# Altium PCB minnnnnnnn.PcbDoc
Units mm, origin at the board's own origin, x right, y up, seen from the top; angles counter-clockwise.
Board outline 131.62 x 119.43 mm, 2 copper layers (Top Layer, Bottom Layer); 60 components, 49 nets, 310 pads, 27 vias.
Unrouted connection lines stored in the file: 8.
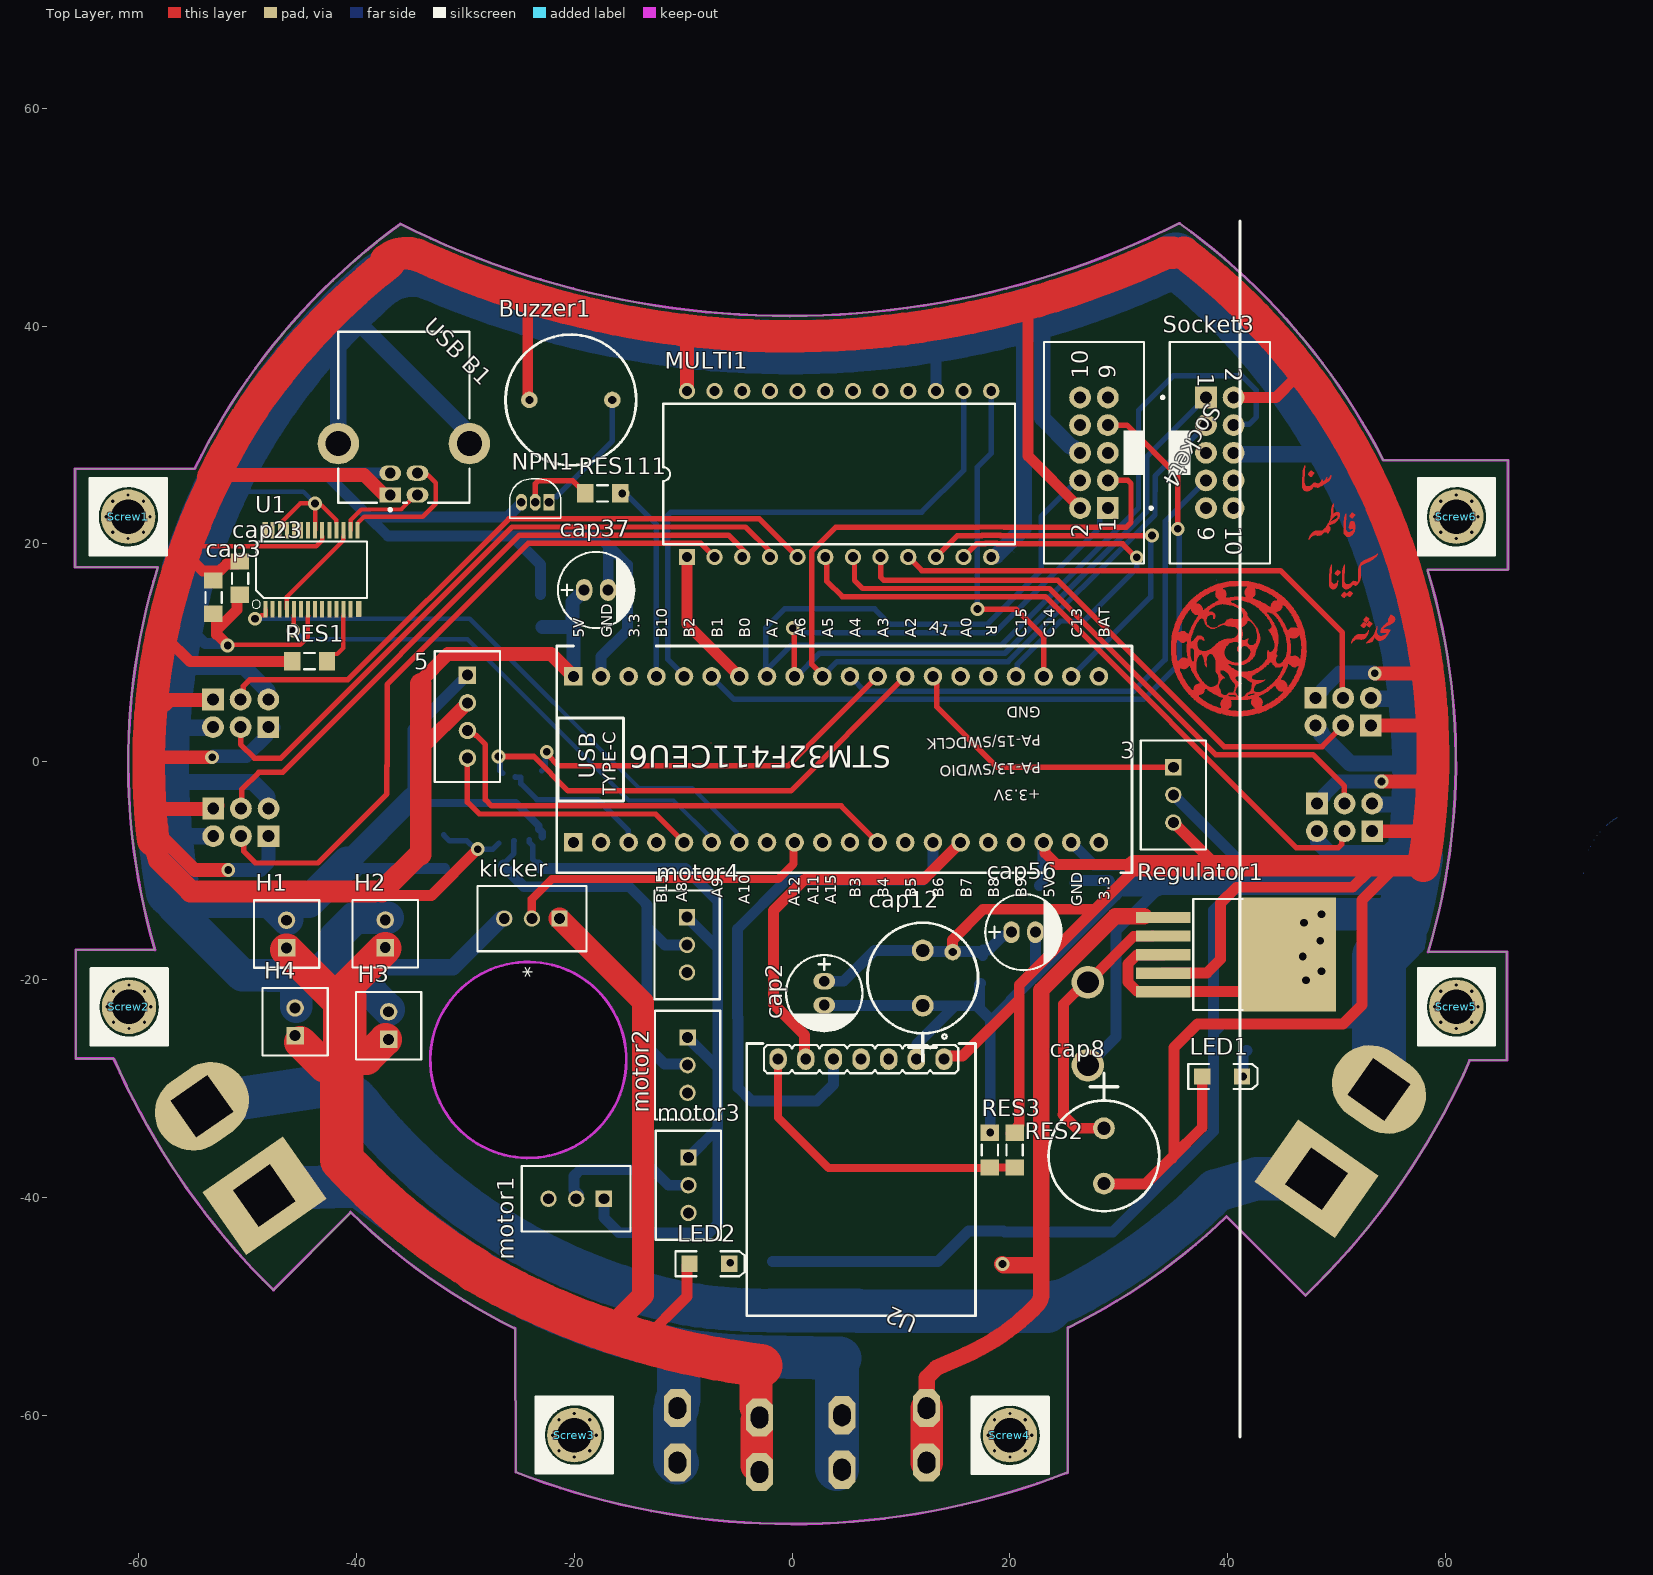
[diagram p0: Top Layer view]
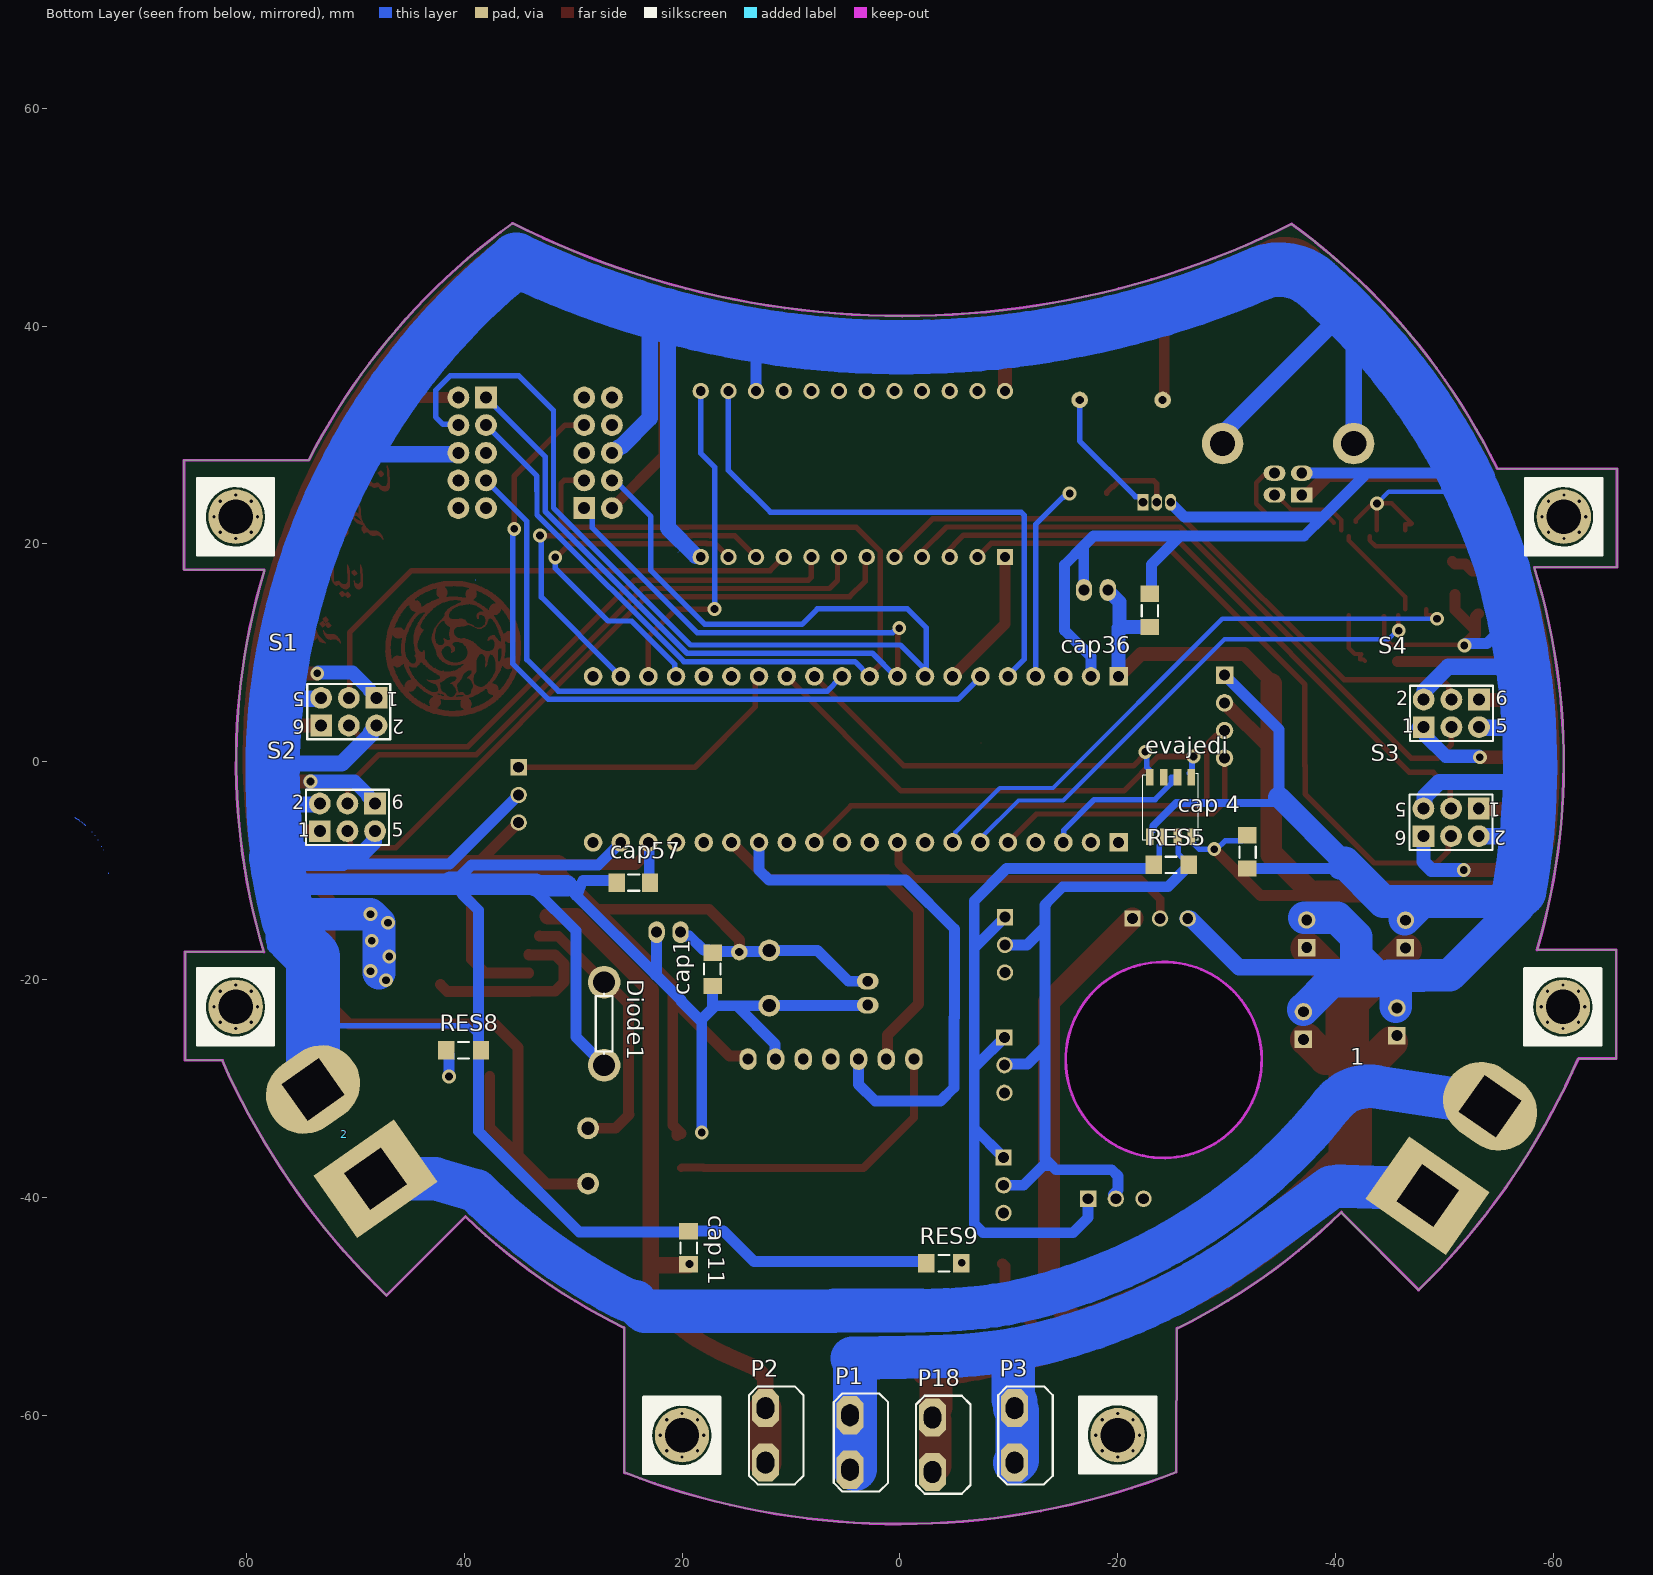
[diagram p1: Bottom Layer view, seen from below]
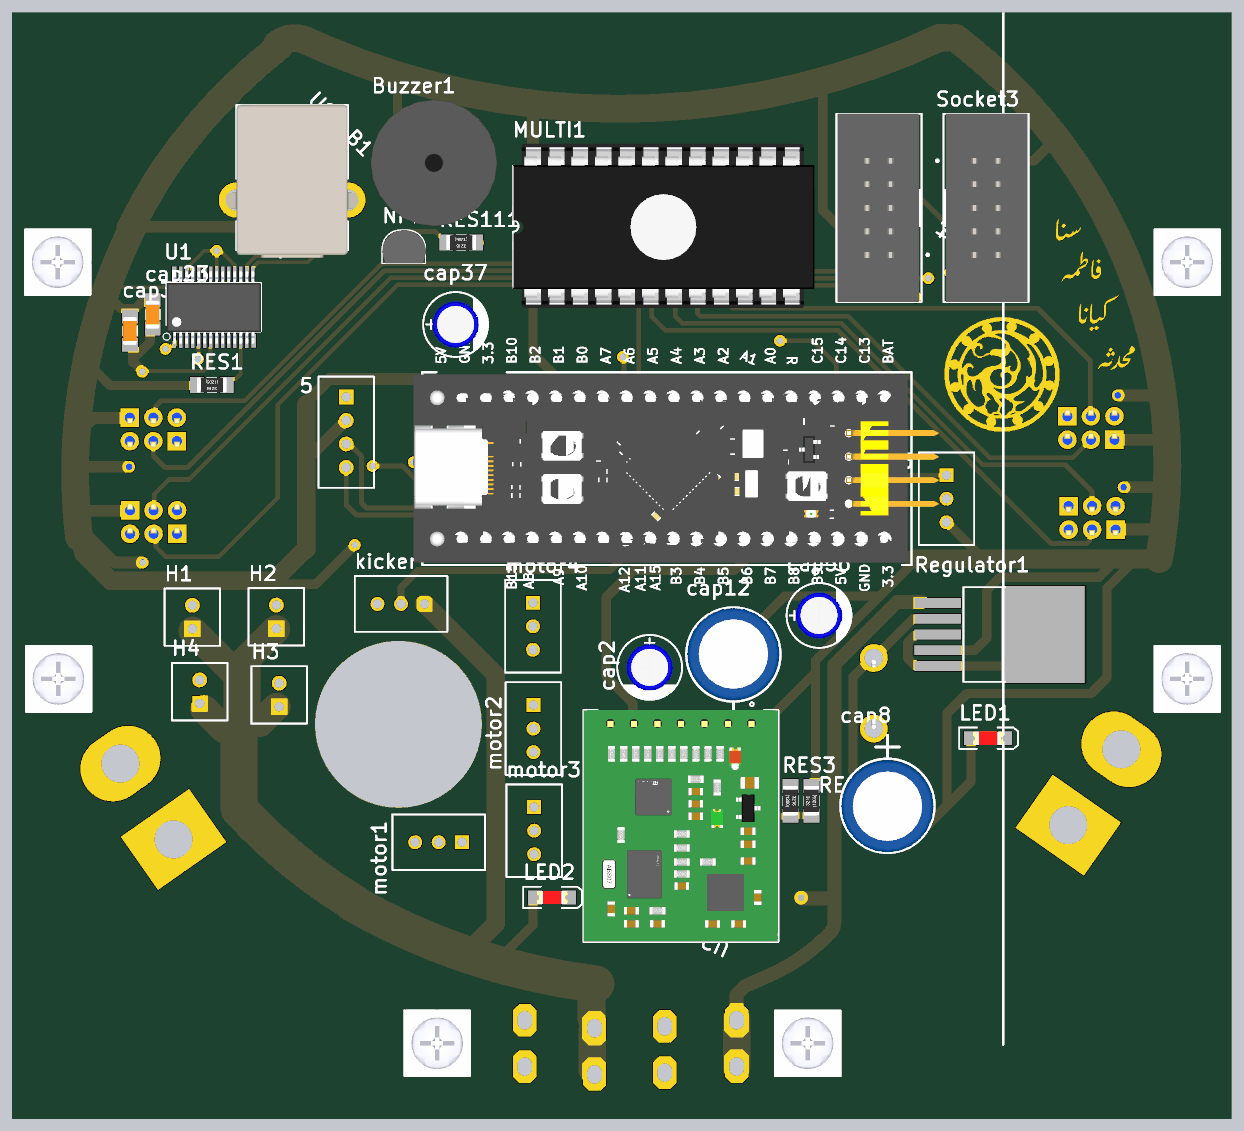
[diagram p2: 3D render of the assembled board from above, using the file's embedded part models]
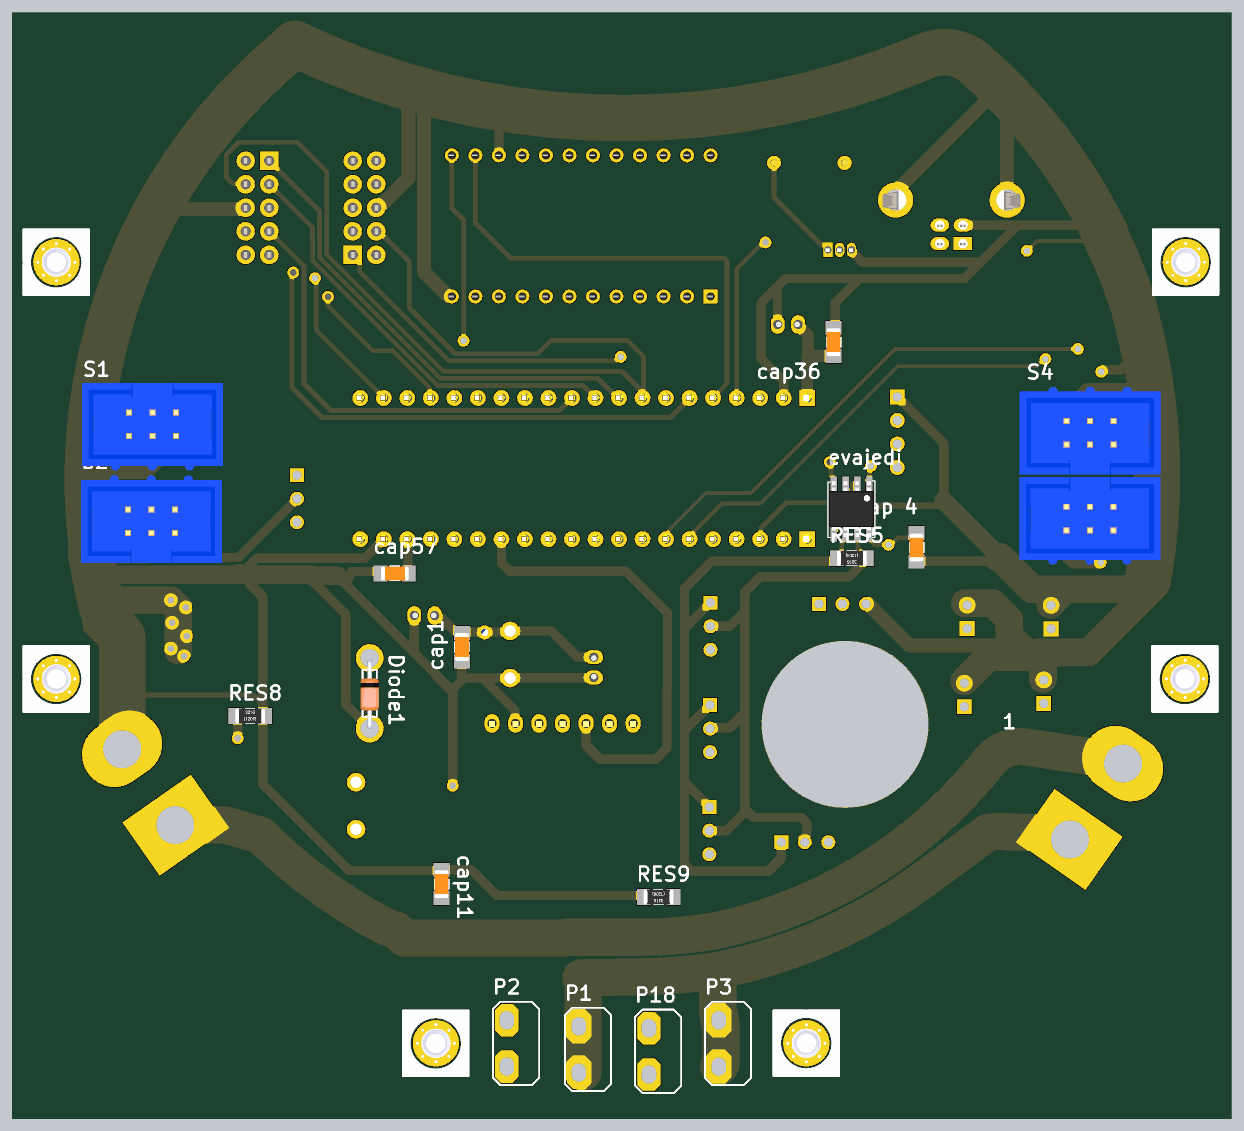
[diagram p3: 3D render of the assembled board from below, using the file's embedded part models]

## Layer stack, top to bottom
Top Solder: solder mask 0.0102, Solder Resist, Dk 3.5
Top Layer: signal copper 0.0356
Dielectric 1: dielectric 0.32, FR-4, Dk 4.8
Bottom Layer: signal copper 0.0356
Bottom Solder: solder mask 0.0102, Solder Resist, Dk 3.5

## Board outline
-47.637,-48.526 cw(c0,0) -62.277,-27.306 -62.332,-27.254 -65.761,-27.254 -65.786,-27.263 -65.786,-17.272 -58.522,-17.272 -58.519,-17.287 cw(c0.025,-0.152) -58.264,17.83 -58.293,17.856 -65.862,17.856 -65.862,26.848 -65.888,26.899 -54.966,26.899 -54.843,26.939 cw(c-0.076,0.076) -36.007,49.371 -35.997,49.392 ccw(c-0.272,120.673) 35.533,49.431 35.593,49.419 cw(c-0.025,-0.102) 54.276,27.689 54.331,27.686 65.735,27.686 65.735,17.653 65.684,17.628 58.369,17.628 58.372,17.517 cw(c-0.051,-0.025) 58.409,-17.446 58.394,-17.468 65.658,-17.451 65.634,-17.45 65.634,-27.407 62.205,-27.407 62.23,-27.413 cw(c0,0) 47.216,-48.935 47.142,-49.022 39.891,-41.77 39.892,-41.771 cw(c-0.186,-0.053) 25.347,-51.963 25.298,-51.973 25.298,-65.278 25.203,-65.306 cw(c0,0) -25.37,-65.241 -25.375,-65.227 -25.425,-52.049 -25.519,-52.011 cw(c0.025,0) -40.566,-41.352 -40.589,-41.453

## Design rules (kind name [scope] priority, off if disabled: settings)
Clearance [All] p1: gap=0.254 ignorepadtopadclearanceinfootprint=FALSE except(0: Arc-Hole Track-Hole SMDPad-Hole THPad-Hole Via-Hole Fill-Hole Poly-Hole Region-Hole Text-Hole)
Height [All] p1: minheight=0 maxheight=50 prefheight=12.7
HoleSize [All] p1: absolutevalues=TRUE maxlimit=50 minlimit=0.025 maxpercent=80.000 minpercent=20.000
PolygonConnect [All] p1: connectstyle=Relief reliefconductorwidth=0.254 reliefentries=4 polygonreliefangle="90 Angle" airgapwidth=0.254
RoutingVias [All] p1: holewidth=0.711 width=1.27 viastyle="Through Hole" minholewidth=0.711 minwidth=1.27 maxholewidth=2 maxwidth=2
SolderMaskExpansion [All] p1: expansion=0.102 istentingtop=FALSE
SupplyNets "Schematic Supply Nets_2" [InNet('+5')] p1: voltage=0.000
SupplyNets "Schematic Supply Nets_1" [InNet('+12')] p2: voltage=0.000
SupplyNets "Schematic Supply Nets" [InNet('GND')] p3: voltage=0.000
Width Width_Power [InNetClass('Power')] p1: maxlimit=5 minlimit=0.5 preferedwidth=3 minimp=50.000000 maximp=50.000000 favimp=50.000000
Width [All] p2: maxlimit=5 minlimit=0.4 preferedwidth=1 minimp=50.000000 maximp=50.000000 favimp=50.000000
28 further rules are at their usual default settings.

## Components (designator, comment, footprint, x,y, rotation, side; value= is the part's Value field where it differs from the comment)
1 "Power Connector" "Power Socket" -51.333,-35.738 r125 bottom
2 "Power Connector" "Power Socket" 51.017,-34.194 r55 bottom
3 "Header 3" HDR1x3 35.001,-3.048 r270 top
5 "Header 4" HDR1X4 -29.82,4.14 r270 top
* "BlackPill" BlackPill 5.944,0.406 r90 top
Buzzer1 "Buzzer" Buzzer -20.345,33.223 r0 top
cap1 "smd" "Cap SMD" 17.196,-19.075 r90 bottom
cap2 "100uf" "Cap 100uF" 3.023,-21.125 r180 top
cap3 "smd" "Cap SMD" -53.162,15.113 r270 top
cap8 "1000uf" "Cap 1000uf" 28.626,-36.246 r90 top
cap11 "smd" "Cap SMD" 19.406,-44.628 r270 bottom
cap12 "1000uf" "Cap 1000uf" 11.989,-19.812 r270 top
cap23 "smd" "Cap SMD" -50.724,16.866 r270 top
cap36 "smd" "Cap SMD" -22.936,13.894 r270 bottom
cap37 "100uf" "Cap 100uF" -18.136,15.85 r270 top
cap56 "100uf" "Cap 100uF" 21.107,-15.57 r270 top
cap57 "smd" "Cap SMD" 24.46,-11.125 r180 bottom
"cap 4" "smd" "Cap SMD" -31.902,-8.28 r270 bottom
Diode1 "Diode" Diode 27.127,-24.003 r270 bottom
evajedi "SN65LB" SOIC8 -25.039,-4.046 r270 bottom
H1 "Header 2" HDR1X2 -46.431,-15.824 r90 top
H2 "Header 2" HDR1X2 -37.363,-15.799 r90 top
H3 "Header 2" HDR1X2 -37.059,-24.232 r90 top
H4 "Header 2" HDR1X2 -45.644,-23.876 r90 top
kicker "Header 3" HDR1x3 -23.901,-14.402 r180 top
LED1 "SMD" "LED SMD" 39.776,-28.931 r0 top
LED2 "SMD" "LED SMD" -7.298,-46.126 r0 top
motor1 "Header 3" HDR1x3 -19.837,-40.132 r180 top
motor2 "Header 3" HDR1x3 -9.601,-27.864 r270 top
motor3 "Header 3" HDR1x3 -9.525,-38.887 r270 top
motor4 "Header 3" HDR1x3 -9.652,-16.815 r270 top
MULTI1 "4067 DIP" "4067 DIP" 4.115,26.67 r90 top
NPN1 "N2222A" TO18 -23.597,23.825 r0 top
P1 "P SK" "P SK" 3.81,-62.535 r270 bottom
P2 "P SK" "P SK" 11.579,-61.883 r270 bottom
P3 "P SK" "P SK" -11.306,-61.883 r270 bottom
P18 "P SK" "P SK" -3.759,-62.738 r270 bottom
Regulator1 "LM2576" D2PAK 41.834,-17.678 r0 top
RES1 "SMD" "Resistor SMD 1206" -44.323,9.246 r180 top
RES2 "SMD" "Resistor SMD 1206" 20.422,-35.662 r90 top
RES3 "SMD" "Resistor SMD 1206" 18.161,-35.662 r270 top
RES5 "SMD" "Resistor SMD 1206" -24.918,-9.474 r0 bottom
RES8 "SMD" "Resistor SMD 1206" 40.056,-26.492 r180 bottom
RES9 "SMD" "Resistor SMD 1206" -4.039,-46.05 r0 bottom
RES111 "SMD" "Resistor SMD 1206" -17.399,24.638 r180 top
S1 "IDC 2X3" "IDC 2X3" 50.597,4.597 r0 bottom
S2 "IDC 2X3" "IDC 2X3" 50.724,-5.105 r180 bottom
S3 "IDC 2X3" "IDC 2X3" -50.622,-5.563 r0 bottom
S4 "IDC 2X3" "IDC 2X3" -50.648,4.445 r180 bottom
Screw1 "Screw" Screw -60.981,22.5 r0 top locked
Screw2 "Screw" Screw -60.9,-22.5 r0 top
Screw3 "Screw" Screw -20,-61.846 r90 top locked
Screw4 "Screw" Screw 20,-61.846 r0 top locked
Screw5 "Screw" Screw 60.982,-22.5 r0 top locked
Screw6 "Screw" Screw 60.982,22.5 r0 top locked
Socket3 "IDC2x5" "IDC 2x5" 39.395,28.321 r0 top
Socket4 "IDC2x5" "IDC 2x5" 27.584,28.423 r180 top
U1 "INTERFACE-FT232RL(SSOP28)" SSOP28-0.65-10.2X5.2MM -44.131,17.635 r0 top
U2 "TDAxis12" TDAxis12 6.325,-27.38 r180 top
"USB B1" "USB_B" USB_B.1 -35.662,26.855 r90 top

## Footprints (in the part's own frame and the unit in brackets; to place one, negate y for a bottom-side part, rotate by r counter-clockwise, add the part's x,y. Pads: shape width x height; smd on the part's side, far side on the other; paste and mask are expansions set on the pad)
"4067 DIP" [mm]
  rect 1.5x1.5 hole 0.9: 1(-7.874,13.776)
  round 1.5 hole 0.9: 2(-7.874,11.236) 3(-7.874,8.696) 4(-7.874,6.156) 5(-7.874,3.616) 6(-7.874,1.076) 7(-7.874,-1.464) 8(-7.874,-4.004) 9(-7.874,-6.544) 10(-7.874,-9.084) 11(-7.874,-11.624) 12(-7.874,-14.164) 13(7.366,-14.164) 14(7.366,-11.624) 15(7.366,-9.084) 16(7.366,-6.544) 17(7.366,-4.004) 18(7.366,-1.464) 19(7.366,1.076) 20(7.366,3.616) 21(7.366,6.156) 22(7.366,8.696) 23(7.366,11.236) 24(7.366,13.776)
  silkscreen extent -6.7,-16.34 6.2,15.96, body extent -9.14,-16.64 8.64,16, height 9.79
BlackPill [mm]
  rect 1.7x1.7 hole 1 paste-2539.97 mask+0.102: 1(-7.812,26.036) 40(7.428,26.036)
  round 1.7 hole 1 paste-2539.97 mask+0.102: 2(-7.812,23.496) 3(-7.812,20.956) 4(-7.812,18.416) 5(-7.812,15.876) 6(-7.812,13.336) 7(-7.812,10.796) 8(-7.812,8.256) 9(-7.812,5.716) 10(-7.812,3.176) 11(-7.812,0.636) 12(-7.812,-1.904) 13(-7.812,-4.444) 14(-7.812,-6.984) 15(-7.812,-9.524) 16(-7.812,-12.064) 17(-7.812,-14.604) 18(-7.812,-17.144) 19(-7.812,-19.684) 20(-7.812,-22.224) 21(7.428,-22.224) 22(7.428,-19.684) 23(7.428,-17.144) 24(7.428,-14.604) 25(7.428,-12.064) 26(7.428,-9.524) 27(7.428,-6.984) 28(7.428,-4.444) 29(7.428,-1.904) 30(7.428,0.636) 31(7.428,3.176) 32(7.428,5.716) 33(7.428,8.256) 34(7.428,10.796) 35(7.428,13.336) 36(7.428,15.876) 37(7.428,18.416) 38(7.428,20.956) 39(7.428,23.496)
  silkscreen extent -10.61,-25.27 10.22,27.56, body extent -10.34,-28.17 9.98,28.47, height 13.16
Buzzer [mil]
  round 60 hole 30: 1(-149,0) 2(151,0)
  silkscreen extent -235,-236 237,236, body extent -269,-269 270,270, height 299
"Cap 100uF" [mm]
  oval 2x1.5 hole 1: 1(0.076,-0.973) 2(0.076,1.227)
  silkscreen extent -3.42,-3.37 3.58,3.63, body extent -2.45,-2.4 2.6,2.65, height 11.53
"Cap 1000uf" [mm]
  round 2 hole 1.2: 1(2.591,0) 2(-2.489,0)
  silkscreen extent -5.03,-5.08 7.67,5.08, body extent -4.99,-5 4.99,5, height 13.5
"Cap SMD" [mm]
  rect 1.5x1.7 smd: 1(-1.525,0) 2(1.525,0)
  silkscreen extent -0.47,-0.72 0.53,0.78, body extent -1.49,-0.76 1.55,0.76, height 0.75
D2PAK [mm] "LM2576"
  rect 5x1.05 smd paste-25.4 mask-25.4: 1(-7.758,3.375) 2(-7.758,1.675) 3(-7.758,-0.025) 4(-7.758,-1.725) 5(-7.758,-3.425)
  rect 9x10.5 smd mask-25.4: 6(3.592,-0.025)
  silkscreen extent -5.01,-5.13 -0.51,5.07, body extent -7.37,-5.08 6.86,5.08, height 4.87
Diode [mm]
  round 3 hole 2: 1(3.861,-0.025) 2(-3.759,-0.025)
  silkscreen extent -2.72,-0.79 2.82,0.74, body extent -3.57,-1.02 3.93,0.97, height 2
HDR1X2 [mm]
  rect 1.6x1.6 hole 1: 1(-1.27,0)
  round 1.6 hole 1: 2(1.27,0)
  silkscreen extent -3.1,-3 3.1,3
HDR1x3 [mm]
  rect 1.5x1.5 hole 1: 1(-2.54,0)
  round 1.5 hole 1: 2(0,0) 3(2.54,0)
  silkscreen extent -5,-3 5,3
HDR1X4 [mm]
  rect 1.6x1.6 hole 1: 1(-3.81,0)
  round 1.6 hole 1: 2(-1.27,0) 3(1.27,0) 4(3.81,0)
  silkscreen extent -6,-3 6,3
"IDC 2X3" [mm] "DS1013-6"
  rect 2x2 hole 1.1: 1(-2.54,-1.27) 6(2.54,1.27)
  round 2 hole 1.1: 2(-2.54,1.27) 3(0,-1.27) 4(0,1.27) 5(2.54,-1.27)
  silkscreen extent -3.81,-2.54 3.81,2.54, body extent -7.62,-4.86 7.62,4.59, height 9.1
"IDC 2x5" [mm] "DS1013-10"
  rect 2x2 hole 1.1: 1(-1.397,5.131)
  round 2 hole 1.1: 2(1.143,5.131) 3(-1.397,2.591) 4(1.143,2.591) 5(-1.397,0.051) 6(1.143,0.051) 7(-1.397,-2.489) 8(1.143,-2.489) 9(-1.397,-5.029) 10(1.143,-5.029)
  silkscreen extent -5.5,-10.11 4.47,10.21, body extent -4.44,-10.11 4.36,10.21, height 9
"LED SMD" [mm]
  rect 1.5x1.5 smd: 1(-2.125,0.025) 2(1.525,0.025)
  silkscreen extent -3.4,-1.12 2.95,1.18, body extent -1.92,-0.7 1.38,0.75, height 1.36
"P SK" [mm]
  oct 3.5x2.5 hole 1.6 slot 2 at 0 deg: 1(-2.523,-0.765) 1(2.477,-0.765)
  silkscreen extent -4.52,-2.26 4.48,2.73
"Power Socket" [mm]
  rect 7x9 hole 4.1 square: 1(-5,0)
  oval 7x9 hole 4.1 square: 2(5,0)
"Resistor SMD 1206" [mm]
  rect 1.5x1.7 smd: 1(-1.6,0) 2(1.6,0)
  silkscreen extent -0.5,-0.75 0.5,0.75, body extent -1.6,-0.8 1.6,0.8, height 0.55